# KiCad board tc2-panel.kicad_pcb (continued)
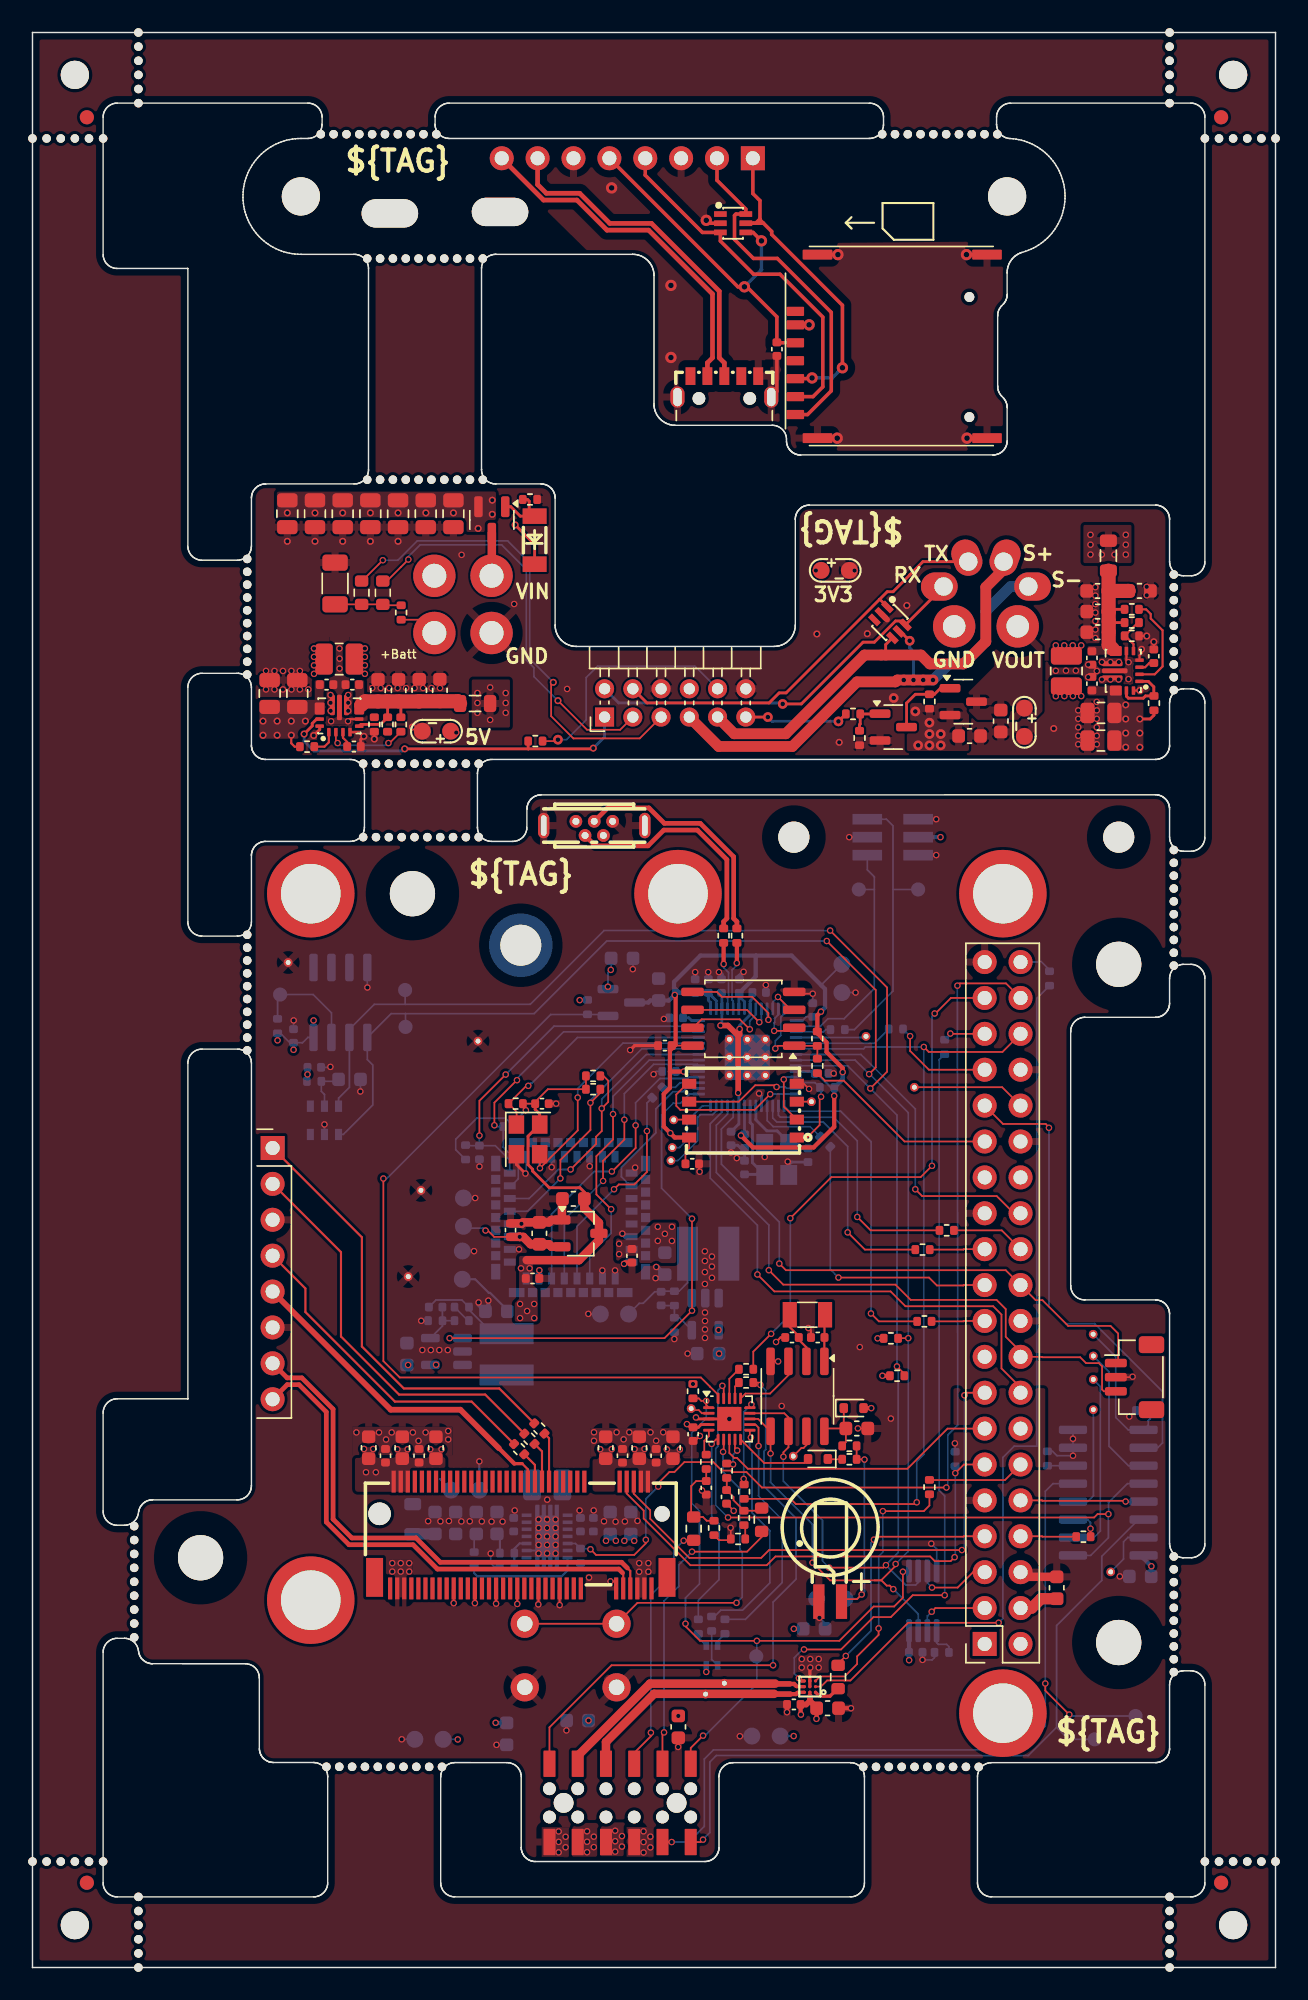
[diagram p0: board, top side]
## Routing (per net, layer and track width the routed paths; a pad name or vN(x,y) marks a point on that pad's centre or on a via; arc(x,y) is an arc through that point) (continued)
  Top w0.12: v1(33.5,63.2) 31.64,61.34 v1(31.64,58.88)
  Bottom w0.12: U114.24 33.79,57.14 32.77,58.16 C145.1 ; C145.1 v1(31.64,58.88) ; C145.1 30.7,58.16 ; v1(33.5,63.2) 36.92,66.62 U102.41
LEPTON_SPI_CS-main: length 20.9
  Top w0.12: v1(42.7,59.6) 42.7,58 41.04,56.34 v1(41.01,56.34)
  Bottom w0.12: v1(41.01,56.34) 39.76,56.34 36.75,53.33 U114.14 ; v1(42.7,59.6) 42.7,61.21 44.41,62.92 46.37,62.92 46.47,63.02 U102.32
LEPTON_SPI_MISO-main: length 2.8
  Bottom w0.12: U102.31 45.84,62.62 45.51,62.29 44.55,62.29
LEPTON_SPI_MOSI-main: length 21.6
  Top w0.12: v1(40.96,53.67) 39.92,54.71 39.92,57.42 41.1,58.6 v1(41.1,60.4)
  Bottom w0.12: U114.11 39.45,50.45 40.96,51.97 v1(40.96,53.67) ; v1(41.1,60.4) 41.1,61.66 43.66,64.22 U102.35
LEPTON_SPI_SCLK-main: length 21
  Top w0.12: v1(40.39,55.67) 40.39,57.09 41.9,58.6 v1(41.9,60)
  Bottom w0.12: v1(40.39,55.67) 37.65,52.92 U114.13 ; v1(41.9,60) 41.9,61.85 43.97,63.92 47.07,63.92 U102.34
LEPTON_VSYNC-main: length 10.4
  Bottom w0.12: 42.33,55.33 41.69,55.96 41.69,56.63 44.13,59.07 44.13,60.77 45.35,61.99 46.05,61.99 46.28,62.22 U102.30
MEM_SPI_MISO-main: length 4.2
  Top w0.12: v1(53.19,62.85) 53.19,60.93 U103.2
  Bottom w0.12: U102.11 53.36,63.02 v1(53.19,62.85)
MEM_SPI_MOSI-main: length 10.9
  Top w0.12: v1(52.23,61.81) 51.12,60.7 45.86,60.7 45.58,60.98 45.58,61.79 46.34,62.55
  Bottom w0.12: v1(52.23,61.81) 52.24,61.82 U102.14
MEM_SPI_SCLK-main: length 8.1
  Top w0.12: v1(52.68,62.32) 52.56,62.44 51.16,62.44 50,61.28 U103.6
  Bottom w0.12: v1(52.68,62.32) 53.3,62.32 53.4,62.22 U102.13
MEM_SPI_~{CS}-main: length 6.4
  Top w0.12: v1(55.83,61.63) 55.73,61.53 55.73,59.63 54.84,58.74 U103.1
  Bottom w0.12: 54.05,62.63 55.4,62.63 R111.1 ; v1(55.83,61.63) 55.83,62.2
MODEM_POWER_EN-main: length 73.4
  Top w0.12: v1(64.7,33.97) 51.64,33.97 50.55,35.06 49.52,35.06 49.41,35.17 48.8,35.17 48.2,35.77 46.15,35.77 45.45,35.07 45.09,35.07 44.3,34.28 v1(44.3,34.04) ; 65.5,69.5 65.65,69.65 68.92,69.65 J110.38 ; v1(43.42,30.27) 43.42,30.02 42.6,29.2 39.9,29.2 v1(39.5,29.6)
  Bottom w0.12: 64.7,33.98 64.8,34.08 64.8,37.7 65.5,38.4 v1(65.48,69.49) ; v1(39.5,29.6) 39.45,29.65 R141.1 38.44,30.01 U115.12 ; v1(44.3,34.04) 43.42,33.16 v1(43.42,30.27)
MUL_S0-main: length 33.5
  Top w0.12: J110.31 68.71,59.7 71.73,59.7 71.96,59.47
  Bottom w0.12: U109.10 79.66,36.78 80,37.13 80,40.76 75.19,45.57 73.16,45.57 71.96,46.77 v1(71.96,59.43)
OUT_RX-main: length 52.4
  Top w0.12: J104.2 47.3,8.88 v1(47.47,9.05)
  Bottom w0.12: 78.31,31.7 75.7,29.1 75.7,27.4 72.5,24.2 72.5,17 ; 72.5,17 70.5,15 48.41,15 47.95,14.54 47.95,9.55 47.47,9.07 v1(47.47,9.05) ; 72.5,17 73.35,16.15 TP126.1
OUT_RX-plugs: length 27.8
  Top w0.2: v2(53.11,89.43) 54.43,89.43 58.8,93.8 59.6,93.8 61.1,95.3 61.52,95.3 D202.6 64.5,97.73
  Bottom w0.2: 40.73,90.27 41.5,89.5 53.04,89.5 v2(53.11,89.43)
OUT_TX-main: length 59.7
  Top w0.12: v1(71.7,20.1) 71.7,19.6 v1(73.4,17.9) ; J104.4 v1(45.25,8.88)
  Bottom w0.12: v1(73.4,17.9) 73.5,17.8 TP128.1 ; v1(45.25,8.88) 46.45,8.88 47.56,9.99 47.56,14.75 48.21,15.4 70,15.4 71.7,17.1 71.7,33.7 72.25,34.24 U109.5
OUT_TX-plugs: length 29.1
  Top w0.2: D202.1 59.99,96.83 59.97,96.83 ; J203.4 43.5,89.5 52.15,89.5 52.86,90.21 53.35,90.21 59.97,96.83 ; 59.97,96.83 60.51,97.37 60.92,97.37 62.11,98.56 62.11,98.57 63.04,99.5 J202.3
PDM_CLOCK-main: length 20
  Bottom w0.12: 60.92,76.3 TP101.1 ; 60.92,76.3 60.92,69.11 58.19,66.38 R104.2 ; 60.92,76.3 60.92,80.8 60.45,81.27 J101.1
PDM_DATA-main: length 17.4
  Bottom w0.12: 59.6,76.3 59.6,77.19 59.1,77.69 J101.5 ; 59.6,76.3 59.6,69.29 57.46,67.15 56.31,67.15 55.78,66.62 U102.2 ; 59.6,76.3 TP102.1
QSPI_SCLK-main: length 6.1
  Top w0.12: v1(51.45,66.9) 50.58,67.78 46.76,67.78
  Bottom w0.12: U102.52 51.61,67.06 v1(51.45,66.9)
QSPI_SD0-main: length 7.3
  Top w0.12: v1(52.1,67.07) 52.1,67.55 50.95,68.7 48.81,68.7 48.46,69.05 46.76,69.05
  Bottom w0.12: U102.53 52.01,67.16 v1(52.1,67.07)
QSPI_SD1-main: length 2.9
  Top w0.12: 53.75,66.29 v1(52.51,66.29)
  Bottom w0.12: v1(52.51,66.29) 52.51,66.86 52.54,66.89 52.54,67.17 52.81,67.44 U102.55
QSPI_SD2-main: length 2.3
  Top w0.12: 53.69,67.78 v1(52.78,68.69)
  Bottom w0.12: v1(52.78,68.69) 52.41,68.32 U102.54
QSPI_SD3-main: length 6.2
  Top w0.12: 46.76,66.5 47.37,67.11 50.07,67.11 v1(50.78,66.4)
  Bottom w0.12: v1(50.78,66.4) 50.78,66.99 51.21,67.42 U102.51
QSPI_SS-main: length 6.7
  Top w0.12: 53.96,65.23 52.78,65.23 v1(52.59,65.04) ; R109.1 55.57,65.22 ; R108.2 53.97,65.23
  Bottom w0.12: 53.21,67.49 52.98,67.27 52.98,65.96 52.59,65.57 v1(52.59,65.04)
RPI_PING-main: length 23.5
  Top w0.12: v1(62.5,55.08) 62.98,54.6 68.26,54.6 69.51,53.35
  Bottom w0.12: v1(62.5,55.08) 62.5,60.77 58.65,64.62 U102.7
RPI_RX-main: length 8.7
  Top w0.12: v1(77.39,32.98) 77.34,33.03 71.5,33.03 71.47,33.06 J110.10
  Bottom w0.12: v1(77.39,32.98) 77.4,32.98 U109.13
RPI_SCL-main: length 5.5
  Top w0.12: v1(63.68,26.89) 65.5,26.89 66.59,27.98 J110.5
  Bottom w0.12: v1(63.68,26.89) 63.36,27.21 U108.3
RPI_SDA-main: length 5.3
  Top w0.12: v1(63.66,25.18) 63.92,25.44 J110.3
  Bottom w0.12: v1(63.66,25.18) 63.36,24.88 U108.6
RPI_SPI_CS-main: length 18.6
  Top w0.12: R122.2 59.34,52.17 v1(58.39,53.12)
  Bottom w0.12: v1(58.39,53.12) 58.39,58.5 56.71,60.18 52.95,60.18 52.81,60.32 U102.16
RPI_SPI_MISO-main: length 20.1
  Top w0.12: J110.21 65.93,48.3 65.9,48.27 64.03,48.27 63.47,48.83 v1(57.06,48.83)
  Bottom w0.12: R110.2 56.48,49.41 v1(57.06,48.83)
RPI_SPI_MOSI-main: length 22.9
  Top w0.12: v1(59.36,46.29) 59.92,45.73 R123.2
  Bottom w0.12: v1(59.36,46.29) 59.37,46.3 59.37,58.45 57.21,60.61 53.58,60.61 U102.15
RPI_SPI_SCLK-main: length 18.4
  Top w0.12: v1(57.71,52.03) 58.93,50.81 R124.2
  Bottom w0.12: U102.17 52.41,60.12 52.69,59.84 55.98,59.84 57.71,58.11 v1(57.71,52.03)
RPI_TX-main: length 2.3
  Top w0.12: R118.2 74.91,31.05 v1(74.9,31.06)
  Bottom w0.12: v1(74.9,31.06) 74.9,31.5 74.69,31.7 U109.3
RTC_BT_SENSE_PHY-main: length 5.6
  Top w0.12: D102.2 54.62,35.71 51.8,35.71 U117.10
RUN-main: length 38.4
  Top w0.12: v1(51.32,49.05) 52.52,47.85 60.75,47.85 61.8,46.8 68.01,46.8 68.6,46.21 68.6,42.4 70.35,40.65
  Bottom w0.12: v1(51.32,49.05) 51.32,52.53 47.98,55.87 47.98,59.71 48.81,60.54 U102.26
SCL-main: length 120.9
  Top w0.12: v1(53.16,36.15) 53.16,36.46 53.52,36.82 U105.6 53.52,38.93 53.23,39.23 U117.14 ; v1(56.47,73.39) 60.5,69.36 60.5,63.4 v1(59.31,62.22) ; 61.72,42.02 v1(61.2,42.54) ; v1(60.42,28.48) 60.24,28.3 v1(56.4,28.3)
  Bottom w0.12: v1(56.47,73.39) 40.46,73.39 35.24,68.17 26.38,68.17 ; 26.38,68.17 24.2,68.17 22.43,66.41 ; 26.38,68.17 TP110.1 ; U106.6 22.43,62.3 21.67,61.53 U104.3 ; v1(53.16,36.15) 53.16,34.42 55.93,31.65 55.93,28.77 v1(56.4,28.3) ; U102.9 57.71,63.82 v1(59.31,62.22) 61.2,60.33 v1(61.2,42.54) 61.29,42.45 61.29,29.37 60.42,28.5 v1(60.42,28.48) 61.83,27.07 62.52,27.07 62.7,27.25 62.7,28.06
SDA-main: length 122.7
  Top w0.12: 59.61,27.4 60.1,27.4 60.47,27.03 60.69,27.03 v1(60.94,26.78) ; 59.61,27.4 60.08,27.4 61.11,28.43 v1(61.11,28.56) ; 59.61,27.4 56.47,27.4 v1(55.22,28.65) ; v1(52.25,36.38) U105.5 51.38,38.83 U117.13 ; v1(59.23,63.23) 59.7,63.7 59.7,69.18 v1(56.23,72.65) ; v1(62,44.54) 61.29,44.54
  Bottom w0.12: v1(55.22,28.65) 55.22,31.36 52.25,34.33 v1(52.25,36.38) ; v1(56.23,72.65) 40.65,72.65 35.51,67.51 26.41,67.51 ; v1(61.11,28.56) 62,29.45 v1(62,44.54) 62,60.5 59.27,63.23 v1(59.23,63.23) 58.24,64.22 U102.8 ; v1(60.94,26.78) 62.7,25.02 62.7,23.84 ; U104.4 22,58.96 24.09,61.05 24.09,63.87 23.7,64.25 23.7,65.83 25.39,67.51 26.41,67.51 ; 26.41,67.51 TP108.1
SPEAKER_+-main: length 17
  Top w0.23: U107.A3 54.18,19.48 54.1,19.4
  Top w0.3: 54.1,19.4 54.05,19.35 53.64,19.35
  Top w0.4: 52.5,19.37 52.52,19.35 53.64,19.35
  Top w0.6: 52.5,19.37 44.01,19.37 40.6,15.96 J104.7
SPEAKER_+-plugs: length 29.7
  Top w0.2: 60.4,92.89 60.4,93.63 D202.4
  Top w0.762: 68.75,98.95 67.49,97.69 67.49,93.84 65.91,92.26 63.53,92.26 62.9,92.89 58.9,92.89 53.33,87.32 49.68,87.32 J203.9
SPEAKER_--main: length 18.2
  Top w0.23: U107.B3 54.11,19.88 54.06,19.93
  Top w0.3: 53.61,20.07 53.92,20.07 54.06,19.93
  Top w0.4: 52.58,20.09 52.6,20.07 53.61,20.07
  Top w0.6: 38.6,14.98 43.71,20.09 52.58,20.09
SPEAKER_--plugs: length 36.7
  Top w0.2: 61.44,94.56 v2(62.1,93.9)
  Top w0.762: v2(63.75,91.12) v2(63.06,91.12) v2(62.37,91.12) v2(61.68,91.12) 61.22,91.12 61.09,90.99 58.37,90.99 53.8,86.42 48.58,86.42 J203.7
  Bottom w0.2: v2(62.1,93.9) 62.1,93.4 62.37,93.13 v2(62.37,91.12)
  Bottom w0.762: J202.5 69.24,97.74 67.49,95.99 67.49,93.84 65.91,92.26 64.89,92.26 v2(63.75,91.12) v2(61.68,91.12)
SPEAKER_SD_MODE-main: length 17.8
  Top w0.12: J110.7 65.93,30.52 65.9,30.49 59.78,30.49 v1(59.57,30.28) ; 57.03,21.5 v1(57.58,22.05)
  Bottom w0.12: v1(57.58,22.05) 59.36,23.83 59.36,30.07 v1(59.57,30.28)
SW_CLK-main: length 41.3
  Top w0.12: 76.86,42.78 76.86,44.87 76.32,45.41 73.32,45.41 71.5,47.23 71.02,47.23 J110.22 68.9,49.35 53.34,49.35 v1(52.87,49.82)
  Bottom w0.12: v1(52.87,49.82) 52.87,52.76 48.77,56.86 48.77,59.34 49.61,60.18 U102.24
SWD-main: length 44.1
  Top w0.12: v1(52.13,49.35) 53.15,48.33 61.09,48.33 62.17,47.25 68.25,47.25 68.9,46.6 68.9,44.64 70.35,43.19 ; J110.18 71.47,43.22 71.5,43.19 74.17,43.19 74.59,42.77 75.49,42.77 75.72,42.55 75.72,40.91 75.85,40.78 J103.3
  Bottom w0.12: v1(52.13,49.35) 52.13,52.55 48.41,56.27 48.41,59.61 49.21,60.41 U102.25
USB_D+-main: length 16.9
  Top w0.33: J102.3 40.72,82.07 43.64,82.07 44.73,80.98 47.27,80.98 49.64,78.61 49.64,74.25 49.87,74.02 R102.2
USB_D--main: length 16.6
  Top w0.33: J102.2 39.86,79.38 43.58,79.38 44.69,80.5 47.07,80.5 49.16,78.41 49.16,74.25 48.93,74.02 R103.2
USIM_CLK-main: length 28.6
  Top w0.15: R144.2 32.05,40.55 25.95,40.55 21.84,44.66 21.84,50.63 17.01,55.46
USIM_CLK-sim: length 25.1
  Top w0.25: J501.2 48.46,126.49 50.5,124.45 D501.6 49.8,124.1 49.7,124 49.7,122.3 51.04,120.96 52.73,120.96 56.55,117.14 56.55,111.59 54.87,109.91 U503.C3
USIM_DATA-main: length 23.6
  Top w0.15: J111.4 19.32,48.06 19.32,46.39 25.66,40.05 31.09,40.05 R145.2
USIM_DATA-sim: length 25.5
  Top w0.25: J501.4 43.38,126.85 47.43,122.8 D501.3 48.7,122.19 51.05,119.84 52.92,119.84 55.95,116.81 55.95,111.87 55.26,111.18 U503.C7
USIM_RST-main: length 31.1
  Top w0.15: R143.2 33.05,40.98 26.29,40.98 23.32,43.95 23.32,51.68 J111.1
USIM_RST-sim: length 23.8
  Top w0.25: 51.74,123.45 51.75,123.45 52.33,122.87 52.33,122.65 57.34,117.64 v4(57.34,113.22) ; 51.74,123.45 51.01,123.45 ; 51.74,123.45 51.5,123.69 51.5,123.75 ; v4(55.19,112.5) 55.14,112.45 U503.C2 ; 51.5,123.75 51.2,123.45 51.01,123.45 ; 51.5,123.75 51.5,125.05 51,125.55 J501.1 ; 51.01,123.45 D501.5 ; 54.51,112.28 53.63,112.28
  Bottom w0.25: v4(57.34,113.22) 56.62,112.5 v4(55.19,112.5)
USIM_VDD-main: length 24.2
  Top w0.15: 34.67,35.66 35.07,35.26 U116.36
  Top w0.23: 34.67,35.66 34.11,35.66
  Top w0.292: 34.11,35.66 33.02,36.75
  Top w0.4: 33.02,36.75 30.29,39.48 25.36,39.48 J111.5
USIM_VDD-sim: length 24.9
  Top w0.25: v4(51.61,122.2) 51.01,122.8 D501.4 ; U503.C1 52.73,114.99 C501.2 52.7,116.82 50.57,118.95 v4(50.4,118.95) 49.94,118.95 J501.5
  Bottom w0.25: 51.69,122.29 v4(51.61,122.2) 51.61,120.16 v4(50.4,118.95)
~{EN_RP2040_POWER}-main: length 58.2
  Top w0.12: v1(24.84,55.84) 24.84,42.92 26,41.76 47.32,41.76 48.53,40.54
  Bottom w0.12: 24.84,55.6 36.69,67.45 40.49,67.45
~{LED_B}-main: length 2.4
  Bottom w0.12: 48.08,23.62 48.08,21.8 LED101.3
~{LED_G}-main: length 1.1
  Bottom w0.12: R158.2 48.5,23.1 LED101.4
~{LED_R}-main: length 1.1
  Bottom w0.12: LED101.1 47.14,23.34 R157.2
~{PI_POWERED_OFF}-main: length 20.7
  Top w0.12: J110.13 64.78,38.14 61.94,35.3 50.64,35.3 49.87,36.07 49.67,36.07 49.33,36.41 U117.8
~{PI_SHUTDOWN}-main: length 38.2
  Top w0.12: v1(53.65,53.03) 56.56,55.94 62.88,55.94 v1(63.68,56.74) ; v1(52.29,44.85) 51.03,43.59 R156.2 ; J110.37 65.02,68.62 63.92,67.52 v1(63.87,67.52)
  Bottom w0.12: v1(53.65,53.03) 53.65,46.21 v1(52.29,44.85) ; v1(63.68,56.74) 63.68,67.33 v1(63.87,67.52)
~{READ_ATTINY_CMD_REG}-main: length 61.5
  Top w0.12: R154.2 53.67,33.17 54.04,32.8 62.48,32.8 v1(62.6,32.92) ; v1(63.1,65.15) 63.45,64.8 68.67,64.8 J110.36
  Bottom w0.12: U102.6 58.84,65.02 58.97,65.15 v1(63.1,65.15) 63.1,36.3 62.6,35.8 v1(62.6,32.92)
~{RTC_INT}-main: length 5
  Top w0.12: U117.16 50.48,40.62 52.21,40.62 53.52,41.93 U105.3
~{W_DISABLE1}-main: length 36.3
  Top w0.12: 42.06,34.89 42.06,33.55 43.27,32.34 43.27,31.78 46.58,28.47 51.98,28.47 52.6,29.09 63.55,29.09 63.88,28.76 65,28.76 v1(65.28,29.04) ; J110.11 65.94,35.6 v1(65.33,34.99)
  Bottom w0.12: 65.33,35.47 v1(65.33,34.99) 65.33,29.09 v1(65.28,29.04)
Net-(C228-Pad1)-plugs: length 4.2
  Top w0.12: 21.95,96.47 R203.1 R202.1 24.86,96.41 R217.1
Net-(D102-K)-main: length 1
  Top w0.12: R113.2 56.33,35.97
Net-(D201-A)-plugs: length 3.6
  Top w0.2: 34.64,103.9 35.04,103.9 35.16,103.78 35.16,103.11 ; Q201.1 33.86,103.39 34.53,102.72 D201.2
Net-(J110-GPIO14/TXD)-main: length 3.9
  Top w0.12: J110.8 71.47,30.52 71.5,30.49 73.8,30.49
Net-(J110-GPIO18/PWM0)-main: length 7
  Top w0.12: 63.4,34.5 68.85,34.5 J110.12
Net-(J110-GPIO19/MISO1)-main: length 3
  Top w0.12: J110.35 65,66.08 v1(64.98,66.1)
  Bottom w0.12: R120.2 64.98,66.06 v1(64.98,66.1)
Net-(J110-GPIO21/SCLK1)-main: length 2.3
  Bottom w0.12: 72,70.6 71.4,71.2 71.2,71.2 71.16,71.16 J110.40
Net-(J201-Pad4)-plugs: length 2.7
  Top w0.12: R217.2 27.51,95.39 J201.4
Net-(Q202-G)-plugs: length 5.2
  Top w0.2: 61.88,87.79 61.88,89.49 62.5,90.11 R204.1 63.85,90.11 64.28,90.54 Q202.1
Net-(Q203-G)-plugs: length 2.6
  Top w0.2: R206.2 58.55,87.96 58.6,88.01 R205.2 59.98,88.72
Net-(R127-Pad1)-main: length 1.3
  Bottom w0.12: 30.84,45.78 29.89,46.73
Net-(R152-Pad2)-main: length 0.9
  Top w0.12: R153.1 50.46,31.22
Net-(U102-XIN)-main: length 5.5
  Bottom w0.2: U102.20 51.21,60 51.99,59.22 52.72,59.22 53.54,58.39 ; Y101.1 54.2,58.3 54.53,57.97 C115.2
Net-(U102-XOUT)-main: length 6.7
  Bottom w0.2: Y101.3 50.97,56.97 50.97,59.64 50.81,59.8 U102.21 ; C116.2 51.8,56.13
Net-(U107-~{SD_MODE})-main: length 2
  Top w0.23: U107.A1 55.71,19.2 56.46,19.2 57.06,19.8
Net-(U108-READY)-main: length 2.2
  Bottom w0.12: R117.2 64.88,22.71 64.72,22.87 64.13,22.87 64,23 64,23.84
Net-(U109-1Y2)-main: length 4.1
  Bottom w0.12: U109.15 77.55,30.44 77.24,30.13 77.24,28.91 TP125.1
Net-(U109-1Y3)-main: length 9.9
  Bottom w0.12: U109.11 77.59,35.52 76.21,36.89 76.21,42.17 TP129.1
Net-(U109-2Y2)-main: length 13.1
  Bottom w0.12: TP124.1 75.6,41.12 75.6,30.89 75.14,30.44 U109.2
Net-(U109-2Y3)-main: length 7.7
  Bottom w0.12: U109.4 74.69,32.98 75.11,33.39 75.11,39.49
Net-(U109-S1)-main: length 10.4
  Bottom w0.12: TP130.1 76.69,43.22 76.69,38.93 77.56,38.05 U109.9 78.99,38.38 78.99,38.7 79.14,38.85 R126.2
Net-(U114-SPI_MISO)-main: length 15.6
  Top w0.12: v1(41.17,55.08) 41.51,55.42 42.61,55.42 43.5,56.31 v1(43.5,59.2)
  Bottom w0.12: v1(43.5,59.2) 43.5,61.18 R135.2 ; U114.12 38.55,52.46 v1(41.17,55.08)
Net-(U115-FB)-main: length 2.3
  Bottom w0.15: R140.1 R138.2 34.11,29.64 34.48,30.01 U115.3
Net-(U115-PG)-main: length 8.3
  Bottom w0.15: U115.14 37.88,28.1 37.47,27.69 31.48,27.69 31.27,27.9 R139.2
Net-(U116-USIM_CLK)-main: length 2.9
  Top w0.15: R144.1 36.07,36.53 U116.32
Net-(U116-USIM_DATA)-main: length 2.3
  Top w0.15: R145.1 35.57,35.57 U116.34
Net-(U116-USIM_RST)-main: length 3.5
  Top w0.15: R143.1 36.57,37.46 U116.30
Net-(U117-PA5)-main: length 13.8
  Top w0.12: U117.6 48.39,37.38 v1(48.08,37.06)
  Bottom w0.12: v1(48.08,37.06) 48.08,31.93 48.6,31.41 48.6,27.45 47.14,25.99 R157.1
Net-(U117-PA6)-main: length 27.9
  Top w0.12: v1(49.84,25.81) 42.83,25.81 SW101.1 SW101.1 ; U117.7 48.93,36.54 v1(48.89,36.5)
  Bottom w0.12: v1(49.84,25.81) 50.25,26.22 50.25,29.41 50.08,29.58 50.08,33.89 48.89,35.08 v1(48.89,36.5)
Net-(U117-PB2)-main: length 17.5
  Top w0.12: v1(51.4,36.91) 51.4,38.21 51.18,38.42 U117.12
  Bottom w0.12: v1(51.4,36.91) 51.4,33.37 53.07,31.7 53.07,27.24 50.47,24.64 R158.1
Net-(U117-PB3)-main: length 16.4
  Top w0.12: v1(50.86,37.52) 50.78,37.59 U117.11
  Bottom w0.12: v1(50.86,37.52) 50.76,37.42 50.76,36.75 50.94,36.57 50.94,32.17 52.2,30.91 52.2,27.22 50.27,25.29 48.73,25.29 48.28,24.84
Net-(U201-EN)-plugs: length 4.3
  Top w0.2: U201.14 77.44,89.97 77.59,89.84 78.63,89.84 78.8,90 79.38,90 79.38,90.63 79,91.03 U201.1
Net-(U201-FB)-plugs: length 2.6
  Top w0.15: 77.37,94.25 77.94,93.66 U201.5 ; 78.25,95.19 R209.1
Net-(U201-PG)-plugs: length 6.9
  Top w0.15: R210.2 78.84,96.12 79.16,95.8 79.16,95.47 80,94.63 80,92.09 79.44,91.53 U201.2
Net-(U201-Vaux)-plugs: length 1.1
  Top w0.15: C218.1 79.06,92.33 78.77,92.03 U201.3
Net-(U202-PG)-plugs: length 5.8
  Top w0.12: v1(21.6,86.66) 21.48,86.78 U202.2 ; v1(25.2,86.66) 25.27,86.66 R215.2
  Bottom w0.12: v1(21.6,86.66) 21.76,86.5 25.04,86.5 v1(25.2,86.66)
Net-(U202-PS/SYNC)-plugs: length 1.9
  Top w0.15: U202.1 20.98,86.72 20.67,86.41 R213.2
Net-(U202-Vaux)-plugs: length 1.1
  Top w0.15: C227.1 22.28,86.73 21.98,87.03 U202.3

## Copper pours and planes (outline as drawn; the poured copper is in the pictures)
+1V2-main on Top: 45.57,49.86 41.32,49.87 41.32,51.63 42.87,51.63 43.97,52.73 45.57,52.73
+1V2-main on Bottom: 47.28,48.49 43.98,48.49 43.98,52.69 47.28,52.69
+1V2-main on Bottom: 42.87,51.11 42.02,51.11 41.82,51.31 41.42,51.31 41.42,50.31 41.82,50.31 42.07,50.56 42.87,50.56
+3V0-main on Top: 34.44,50.36 34.44,47.31 34.14,47.04 34.14,45.71 35.77,45.71 35.77,47.99 35.44,48.29 35.44,50.36
+3V0-main on Bottom: 35.24,48.34 35.24,49.19 35.44,49.39 35.44,49.74 34.44,49.74 34.44,49.39 34.64,49.19 34.64,48.34
+3V0-main on Bottom: 31.54,44.04 35.74,44.04 35.74,47.34 31.54,47.34
+3V3-main on Top: 65.2,41 71.7,41 71.7,35.4 65.2,35.4
+3V3-main on Top: 38.07,10.23 40.07,10.23 40.07,7.84 38.07,7.84
+3V3-main on Bottom: 25.88,43.23 28.98,43.23 28.98,42.03 25.88,42.03
+3V3-main on Bottom: 48.03,42.82 48.03,45.92 49.19,45.92 49.19,42.82
+3V3-main on In2.Cu: 80.7,7 7.7,7 7.7,83 80.7,83
+3V3-plugs on Top: 77.8,99.4 74.4,99.4 74.4,102.1 77.8,102.1
+3V3-plugs on In3.Cu: 47.9,84.5 81.5,84.5 81.5,104.5 47.9,104.5
+3V3_rp2040-main on Bottom: 54.48,68.29 46.74,68.29 46.74,60.55 54.48,60.55
+3V3_rp2040-main on In3.Cu: 41.3,72.6 58.3,72.6 58.5,72.4 58.5,57.4 45.7,57.4 40.7,62.4 40.7,72
+3V8-main on Top: 46.05,33.68 39.65,33.68 39.65,36.98 46.05,36.98
+3V8-main on Top: 29.23,33.67 22.83,33.67 22.83,36.97 29.23,36.97
+3V8-main on Bottom: 45.71,34.99 29.43,34.99 27.53,32.99 27.53,32.33 26.33,32.33 26.33,32.99 24.73,34.54 23.73,34.54 22.83,35.49 22.83,37.49 45.71,37.49
+5V-main on Top: 40.06,10.27 42.06,10.27 42.06,7.88 40.06,7.88
+5V-main on Bottom: 37.32,31.14 43.04,31.14 43.04,29.95 40.28,29.95 39.88,30.35 37.32,30.35
+5V-main on In3.Cu: 39.7,7.2 73.5,7.2 73.5,26.4 72.5,27.4 48.1,27.4 43.5,32 38.14,32 37.52,31.38 37.52,9.38
+5V-plugs on Top: 33.8,91.16 33.8,87.76 31.1,87.76 31.1,91.16
+5V-plugs on In3.Cu: 47.1,84.5 14.5,84.5 14.5,95.5 47.1,95.5
/3V3_L1-plugs on Top: 77.17,91.45 77.17,90.85 75.5,90.85 75.5,91.45
/3V3_L1-plugs on Bottom: 77.19,89.85 77.19,91.45 71.89,91.45 71.89,89.85
/3V3_L2-plugs on Top: 77.17,92.7 77.17,92.1 75.5,92.1 75.5,92.7
/3V3_L2-plugs on Bottom: 77.19,92.1 77.19,93.7 71.89,93.7 71.89,92.1
/3V3_PHY-plugs on Top: 77.12,92.83 77.12,93.53 74.69,93.53 74.69,92.83
/5V_L1-plugs on Top: 21.41,88.62 20.81,88.62 20.81,90.34 21.41,90.34
/5V_L1-plugs on Bottom: 19.81,88.62 21.41,88.62 21.41,93.91 19.81,93.91
/5V_L2-plugs on Top: 22.66,88.62 22.06,88.62 22.06,90.34 22.66,90.34
/5V_L2-plugs on Bottom: 22.06,88.62 23.66,88.62 23.66,93.91 22.06,93.91
/5V_PHY-plugs on Top: 22.78,88.69 23.48,88.69 23.48,91.12 22.78,91.12
/modem/3V3_L1-main on Bottom: 38.23,31.38 37.52,31.38 37.52,32.67 37.23,32.98 36.83,32.98 36.83,35.48 38.23,35.48
/modem/3V3_L2-main on Bottom: 34.63,31.38 35.34,31.38 35.34,32.67 35.64,32.97 36.04,32.97 36.04,35.47 34.63,35.47
GND-main on Top: 54.16,20.03 55.96,20.03 55.96,22.13 54.16,22.13
GND-main on Top: 29.73,38.27 22.63,38.27 22.63,36.27 29.73,36.27
GND-main on Top: 36.05,9.93 38.05,9.93 38.05,7.83 36.05,7.83
GND-main on Top: 42.73,26.18 43.83,26.18 43.83,28.85 42.73,28.85
GND-main on Top: 25.24,26.2 26.9,26.2 26.9,28.85 25.24,28.85
GND-main on Top: 42.06,9.94 44.06,9.94 44.06,7.84 42.06,7.84
GND-main on Top: 46.58,38.18 39.48,38.18 39.48,36.18 46.58,36.18
GND-main on Top, Bottom, In1.Cu, In4.Cu: 81.7,84 6.7,84 6.7,6 81.7,6
GND-main on Bottom: 31.1,43.2 25.9,43.2 25.9,44.8 31.2,44.8
GND-main on Bottom: 34.54,31.2 27.84,31.2 27.84,32.9 34.54,32.9
GND-main on Bottom: 36.81,35.45 36.11,35.45 36.11,33.05 35.51,32.45 35.51,31.45 37.41,31.45 37.41,32.45 36.81,33.05
GND-main on Bottom: 43.08,31.18 38.28,31.18 38.28,32.78 43.08,32.78
GND-main on Bottom: 48.42,43.12 47.02,43.12 47,52.68 48.4,52.68
GND-main on In3.Cu: 6.9,83.8 81.5,83.8 81.5,6.2 6.9,6.2
GND-plugs on Top: 77.12,91.95 75.78,91.95 75.25,92.48 71.64,92.48 71.64,91.06 75.25,91.06 75.78,91.59 77.12,91.59 77.34,90.94 77.83,90.94 77.83,92.62 77.34,92.62
GND-plugs on Top: 21.91,88.69 21.91,90.02 22.44,90.55 22.44,94.16 21.02,94.16 21.02,90.55 21.55,90.02 21.55,88.69 20.9,88.45 20.9,87.97 22.58,87.97 22.58,88.45
GND-plugs on Top, Bottom, In1.Cu, In4.Cu: 81.5,106.5 81.5,84.5 14.5,84.5 14.5,106.5
GND-sim on Top, Bottom, In1.Cu, In4.Cu: 51.3,129.75 51.5,123.65 53.35,122.04 71.52,122.18 71.52,104.94 44,105.06 44,117.76 43.08,117.76 32.2,128.45 32.2,129.45
VCC-plugs on Top: 77.12,90.03 77.12,90.72 74.69,90.72 74.69,90.03
VCC-plugs on Top: 17.3,104.45 32.8,104.45 32.8,102.6 17.3,102.6
VCC-plugs on Top: 61.9,89.5 66.3,89.5 66.3,86.1 61.9,86.1
VCC-plugs on Top: 16.07,89.72 20.77,89.72 20.77,86.97 16.07,86.97
VCC-plugs on Top: 32.8,104.45 29.3,104.45 29.3,101.6 32.8,101.6
VCC-plugs on Top: 19.98,88.69 20.68,88.69 20.68,91.12 19.98,91.12
VCC-plugs on Top: 78.65,90.77 78.65,86.12 76.09,86.12 76.09,90.77
VCC-plugs on In2.Cu: 80.5,105.5 80.5,85.5 15.5,85.5 15.5,105.5
(no net) on Top: 31.29,106.03 31.29,120.24 31.38,120.75 24.2,120.75 24.29,120.24 24.29,106.02 24.2,105.5 31.38,105.5
(no net) on Top: 0.5,0.5 87.5,0.5 87.5,136.45 0.5,136.45 ; 1 cut-out
(no net) on Top: 31,80.72 31,84.49 31.09,85 23.91,85 24,84.49 24,80.71 23.91,80.2 31.09,80.2
(no net) on Bottom: 0.5,0.5 87.5,0.5 87.5,136.45 0.5,136.45 ; 1 cut-out
(no net) on Bottom: 31.29,106.03 31.29,120.24 31.38,120.75 24.2,120.75 24.29,120.24 24.29,106.02 24.2,105.5 31.38,105.5
(no net) on Bottom: 31,80.72 31,84.49 31.09,85 23.91,85 24,84.49 24,80.71 23.91,80.2 31.09,80.2
(no net) on In1.Cu: 31,80.72 31,84.49 31.09,85 23.91,85 24,84.49 24,80.71 23.91,80.2 31.09,80.2
(no net) on In1.Cu: 31.29,106.03 31.29,120.24 31.38,120.75 24.2,120.75 24.29,120.24 24.29,106.02 24.2,105.5 31.38,105.5
(no net) on In1.Cu: 0.5,0.5 87.5,0.5 87.5,136.45 0.5,136.45 ; 1 cut-out
(no net) on In2.Cu: 31,80.72 31,84.49 31.09,85 23.91,85 24,84.49 24,80.71 23.91,80.2 31.09,80.2
(no net) on In2.Cu: 0.5,0.5 87.5,0.5 87.5,136.45 0.5,136.45 ; 1 cut-out
(no net) on In2.Cu: 31.29,106.03 31.29,120.24 31.38,120.75 24.2,120.75 24.29,120.24 24.29,106.02 24.2,105.5 31.38,105.5
(no net) on In3.Cu: 31.29,106.03 31.29,120.24 31.38,120.75 24.2,120.75 24.29,120.24 24.29,106.02 24.2,105.5 31.38,105.5
(no net) on In3.Cu: 0.5,0.5 87.5,0.5 87.5,136.45 0.5,136.45 ; 1 cut-out
(no net) on In3.Cu: 31,80.72 31,84.49 31.09,85 23.91,85 24,84.49 24,80.71 23.91,80.2 31.09,80.2
(no net) on In4.Cu: 0.5,0.5 87.5,0.5 87.5,136.45 0.5,136.45 ; 1 cut-out
(no net) on In4.Cu: 31,80.72 31,84.49 31.09,85 23.91,85 24,84.49 24,80.71 23.91,80.2 31.09,80.2
(no net) on In4.Cu: 31.29,106.03 31.29,120.24 31.38,120.75 24.2,120.75 24.29,120.24 24.29,106.02 24.2,105.5 31.38,105.5
/Lepton/SW_1V2-main on Bottom: 48.14,46.57 48.13,52.56 50.18,52.56 50.18,48.46 49.03,47.31 49.03,46.57
/Lepton/SW_3V0-main on Bottom: 29.65,43.07 35.66,43.07 35.66,41.07 31.36,41.07 30.36,42.07 29.66,42.07
/modem/MODEM_3V8-main on Bottom: 35.47,31.14 27.91,31.14 27.91,30.05 28.01,29.95 33.51,29.95 33.91,30.35 36.27,30.35
VOUT-plugs on Top: 65.9,89.3 66.9,88.3 70.9,88.3 71.5,88.9 71.5,94.9 70.7,95.7 69.1,95.7 68.1,94.7 68.1,92.1 65.9,89.9

## Text on the board
B.Silkscreen: ~{WC} | SCL | SDA | 3V3 | 3V8 | 1V2 | 5V0 | DATA | 5V_EN | RTC BAT | 3V3_RP2040 | CLK | TX | RX | 3V0 | 2V8 | ${TAG}
F.Silkscreen: +Batt | 5V | GND | VIN | 3V3 | RX | TX | VOUT | S+ | S- | ${TAG}
